# KiCad board XMS0004.kicad_pcb
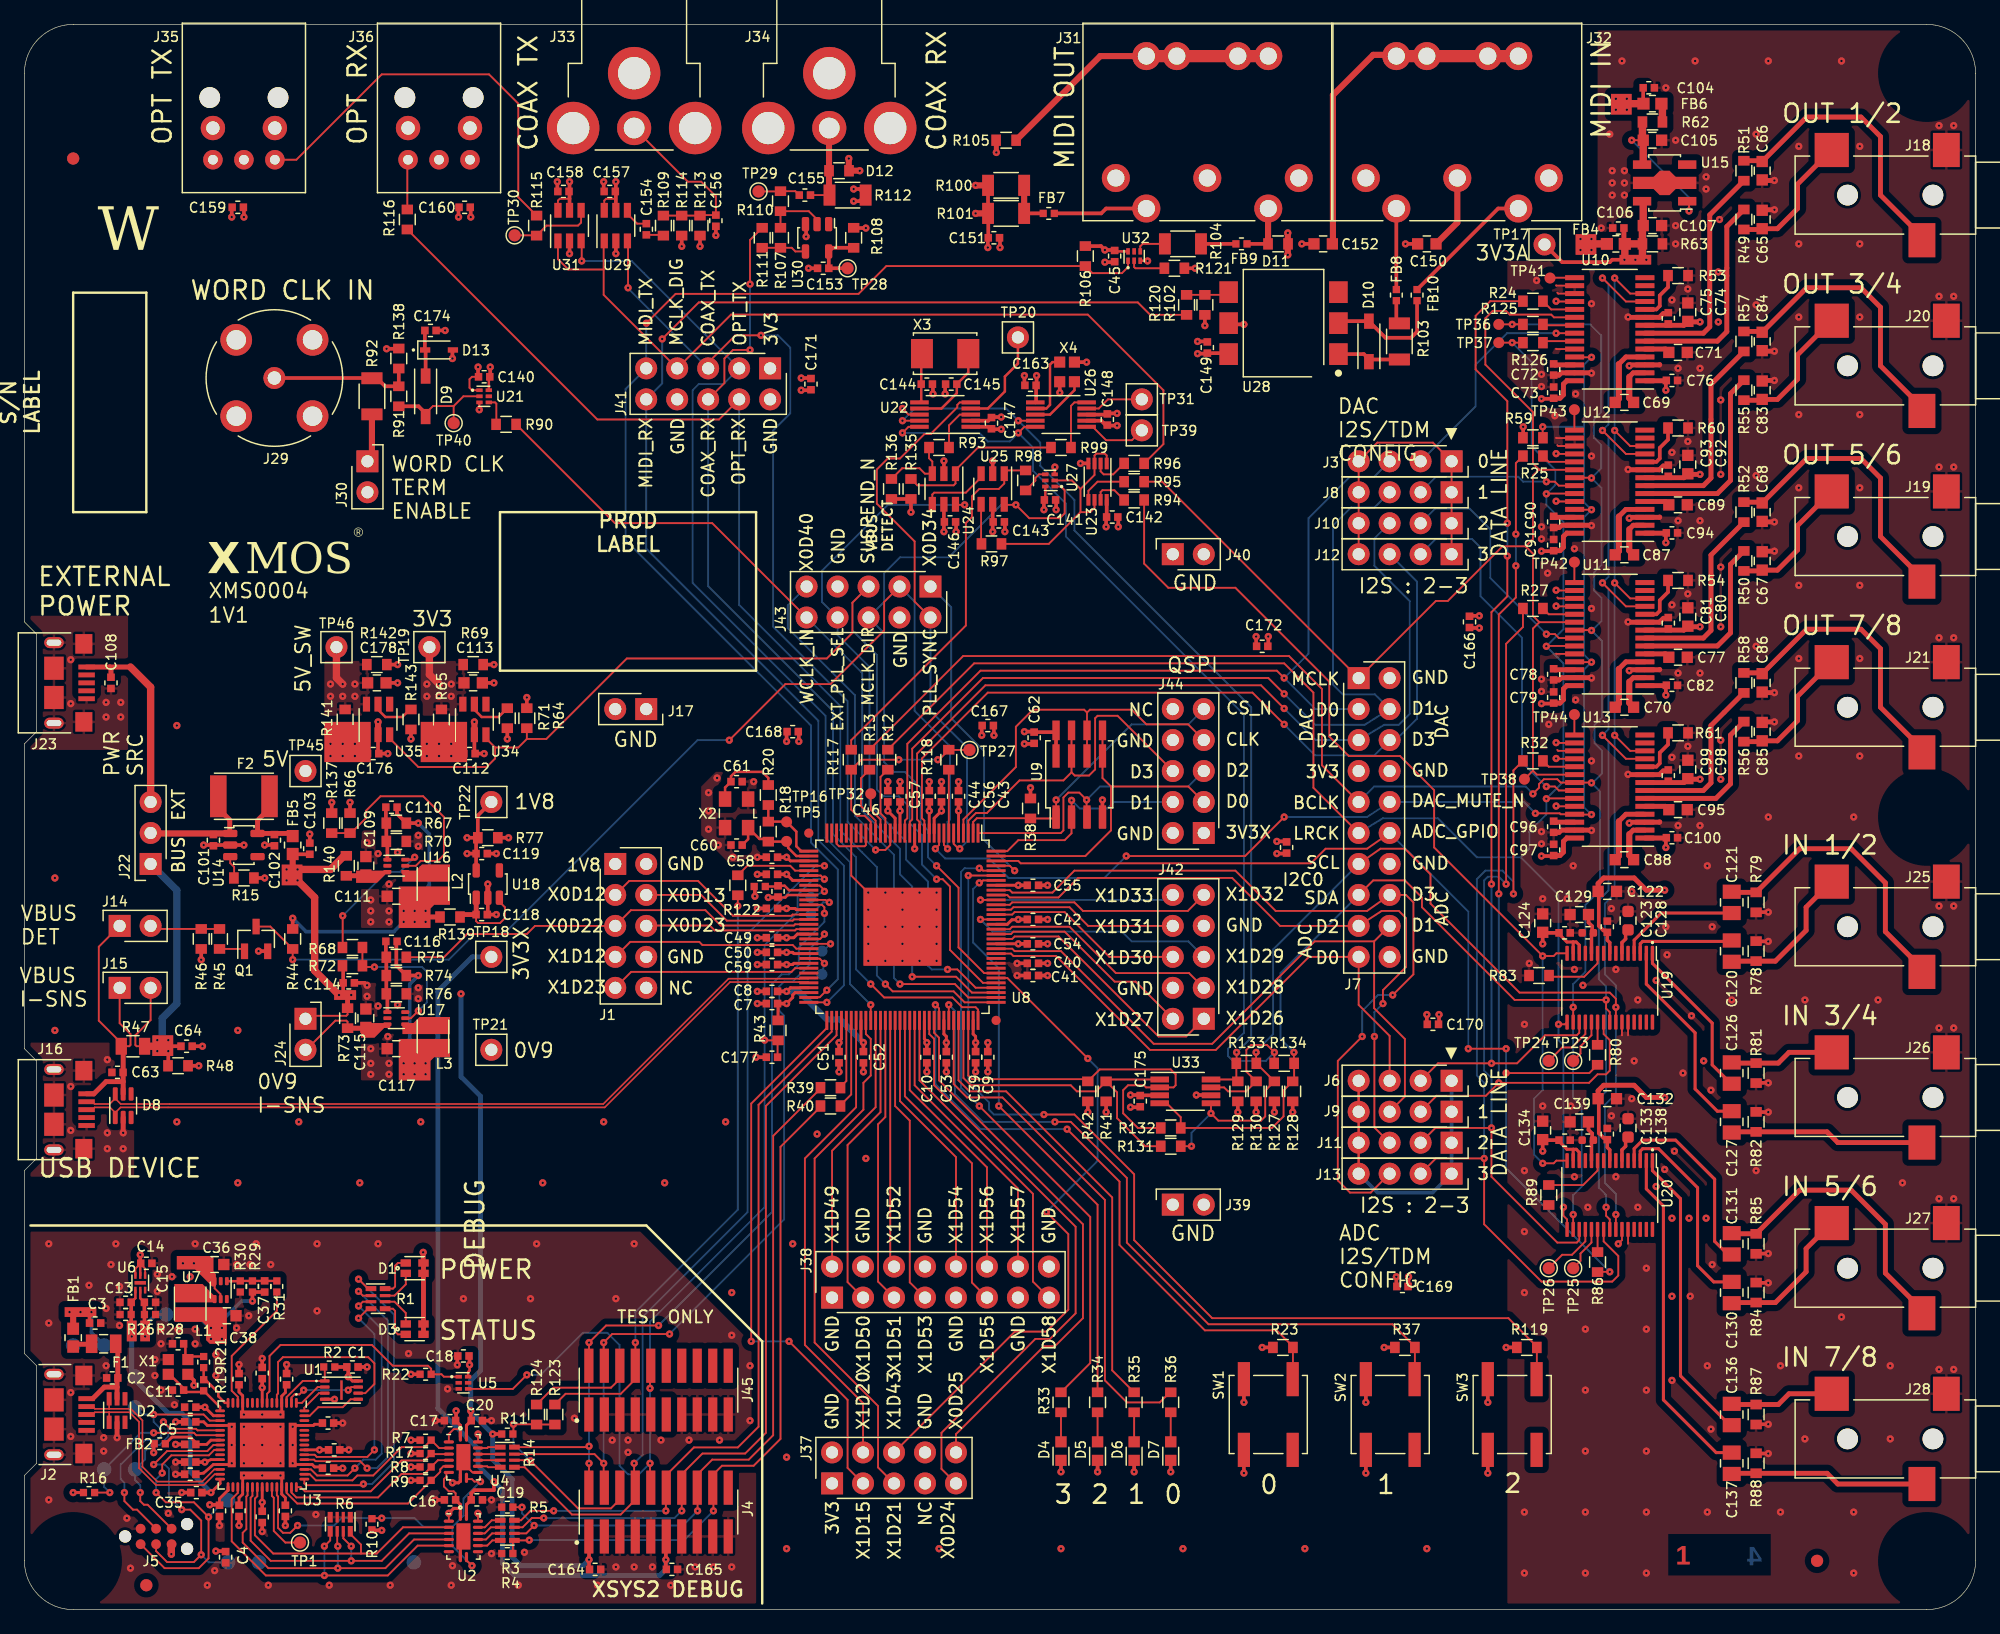
[diagram p0: board, top side]
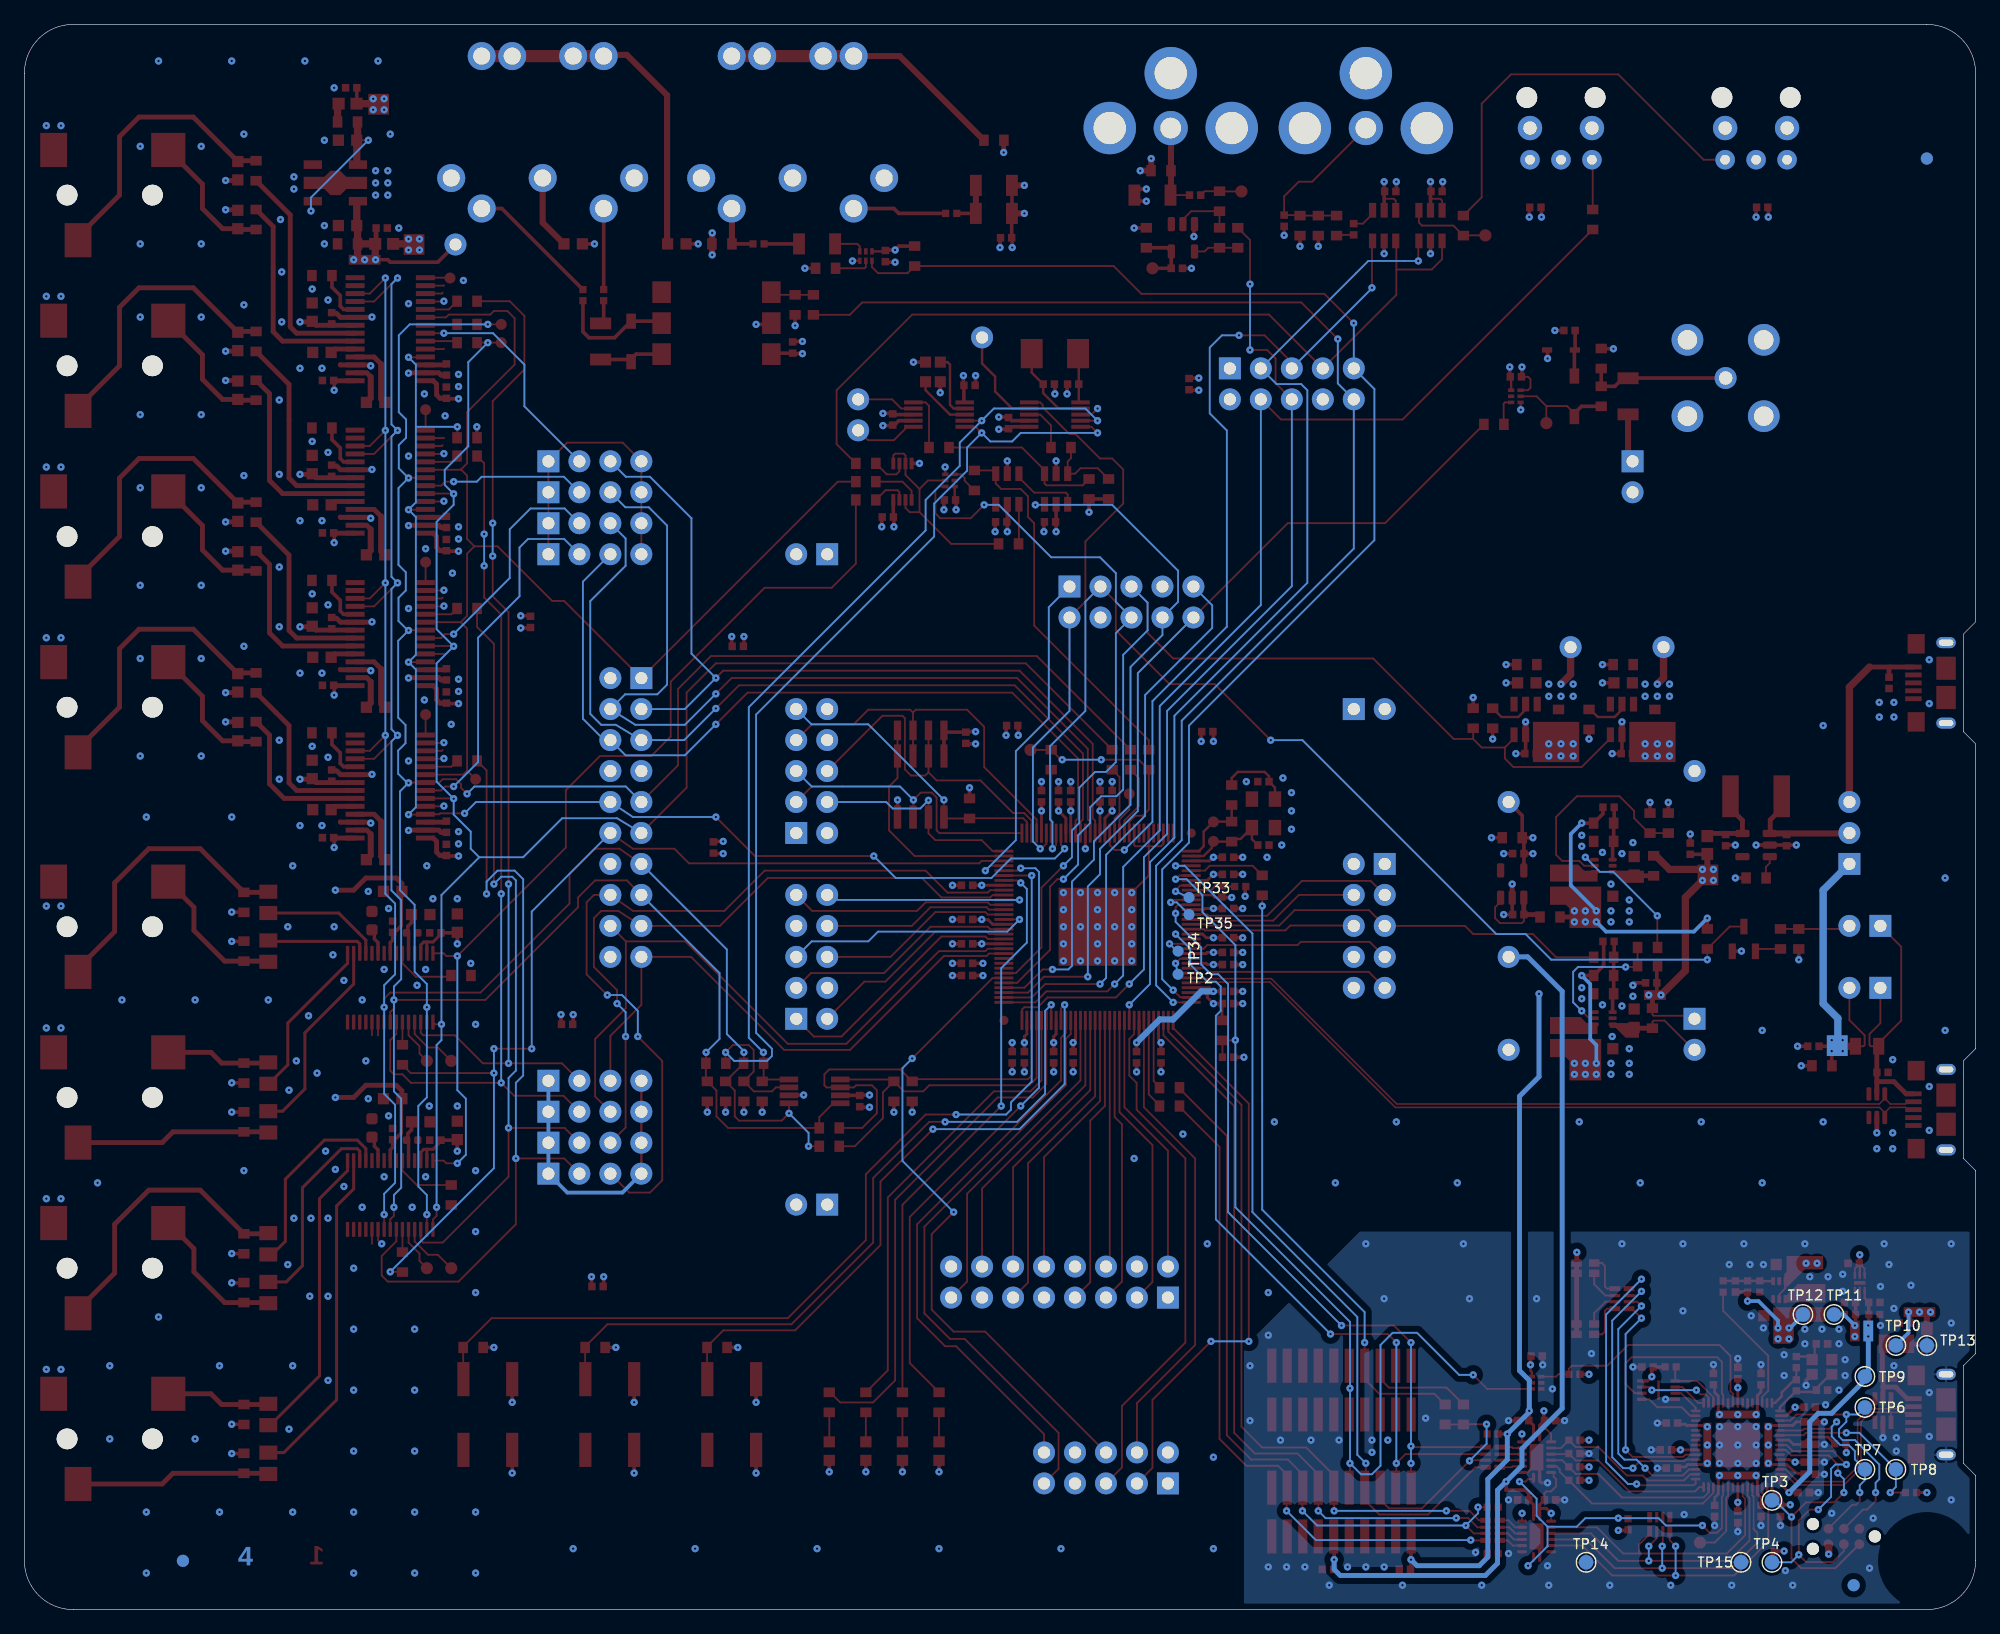
[diagram p1: board, bottom side, seen from below]

Outline 160 x 130 mm; copper layers: Layer 1 (Top), Layer 2 (GND) (plane), Layer 3 (PWR) (plane), Layer 4 (Bottom). Coordinates in mm from the lower left corner of the outline.
Outline path: 0,36 1,37 1,45 0,46 0,71 1,72 1,80 0,81 0,126 arc(1.17,128.83) 4,130 156,130 arc(158.83,128.83) 160,126 160,4 arc(158.83,1.17) 156,0 4,0 arc(1.17,1.17) 0,4 0,11 1,12 1,20 0,21 0,36

## Placement (name value [footprint] x y rotation side)
C1  100N  [CAPC1005X55N]  26.9 19.9 0 top
C2  100N  [CAPC1005X55N]  7.2 19 180 top
C3  100N  [CAPC1005X55N]  5.8 23.5 0 top
C4  100N  [CAPC1005X55N]  16.5 4.3 270 top
C5  1U  [CAPC1005X55N]  13.6 13.55 180 top
C6  1U  [CAPC1005X55N]  61.8 58.9 270 top
C7  100N  [CAPC1005X55N]  61.3 49.7 180 top
C8  100N  [CAPC1005X55N]  61.3 50.7 180 top
C9  2U2  [CAPC1005X55N]  79 45.3 270 top
C10  100N  [CAPC1005X55N]  74 45.3 270 top
C11  18P  [CAPC1005X55N]  12.6 18 180 top
C12  18P  [CAPC1005X55N]  12.6 21.8 180 top
C13  1U  [CAPC1005X55N]  8.3 25.2 180 top
C14  1U  [CAPC1005X55N]  10 28.4 0 top
C15  1U  [CAPC1005X55N]  10.3 25.2 0 top
C16  100N  [CAPC1005X55N]  34.9 9 180 top
C17  100N  [CAPC1005X55N]  34.9 15.5 180 top
C18  100N  [CAPC1005X55N]  36 20.8 180 top
C19  100N  [CAPC1005X55N]  37.1 9 0 top
C20  100N  [CAPC1005X55N]  37.1 15.5 0 top
C21  100N  [CAPC1005X55N]  13.6 11.1 180 top
C22  100N  [CAPC1005X55N]  21.5 18.9 90 top
C23  100N  [CAPC1005X55N]  24.9 11.6 0 top
C24  100N  [CAPC1005X55N]  17.6 18.9 90 top
C25  100N  [CAPC1005X55N]  17.6 8.1 270 top
C26  100N  [CAPC1005X55N]  24.9 15.3 0 top
C27  100N  [CAPC1005X55N]  13.6 15.4 180 top
C28  100N  [CAPC1005X55N]  21.4 8.1 270 top
C29  100N  [CAPC1005X55N]  19.5 19.4 90 top
C30  100N  [CAPC1005X55N]  25.4 13.1 0 top
C31  100N  [CAPC1005X55N]  13.6 16.6 180 top
C32  100N  [CAPC1005X55N]  16 8.1 270 top
C33  100N  [CAPC1005X55N]  19.5 7.6 270 top
C34  100N  [CAPC1005X55N]  13.6 12.1 180 top
C35  100N  [CAPC1005X55N]  14.1 9.6 180 top
C36  10U  [CAPC1608X90N]  15.6 28.3 0 top
C37  470P  [CAPC1005X55N]  19.7 26.5 90 top
C38  10U  [CAPC1608X90N]  16.6 24.1 0 top
C39  100N  [CAPC1005X55N]  78 45.3 270 top
C40  100N  [CAPC1005X55N]  82.7 53 0 top
C41  100N  [CAPC1005X55N]  82.7 52 0 top
C42  100N  [CAPC1005X55N]  82.7 56.6 0 top
C43  100N  [CAPC1005X55N]  76.6 66.7 90 top
C44  100N  [CAPC1005X55N]  74.2 66.7 90 top
C45  100N  [CAPC1005X55N]  89.4 111 270 top
C46  100N  [CAPC1005X55N]  70.8 66.7 90 top
C47  100N  [CAPC1005X55N]  61.3 60.3 180 top
C48  100N  [CAPC1005X55N]  61.3 57.5 180 top
C49  100N  [CAPC1005X55N]  61.3 55.1 180 top
C50  100N  [CAPC1005X55N]  61.3 53.9 180 top
C51  100N  [CAPC1005X55N]  66.8 45.3 270 top
C52  100N  [CAPC1005X55N]  68.8 45.3 270 top
C53  100N  [CAPC1005X55N]  75.6 45.3 270 top
C54  100N  [CAPC1005X55N]  82.7 54.6 0 top
C55  100N  [CAPC1005X55N]  82.7 59.4 0 top
C56  100N  [CAPC1005X55N]  75.2 66.7 90 top
C57  100N  [CAPC1005X55N]  71.8 66.7 90 top
C58  100N  [CAPC1005X55N]  61.3 61.7 180 top
C59  100N  [CAPC1005X55N]  61.3 52.9 180 top
C60  18P  [CAPC1005X55N]  58.4 62.7 180 top
C61  18P  [CAPC1005X55N]  58.4 67.9 0 top
C62  100N  [CAPC1005X55N]  82.8 71.5 270 top
C63  10N  [CAPC1005X55N]  7.64 44.06 180 top
C64  100N  [CAPC1005X55N]  13.3 46.2 0 top
C65  2N2  [CAPC1608X90N]  142.5 114 90 top
C66  2N2  [CAPC1608X90N]  142.5 118 270 top
C67  2N2  [CAPC1608X90N]  142.5 86 90 top
C68  2N2  [CAPC1608X90N]  142.5 90 270 top
C69  2U2  [CAPC1608X90N]  131.2 99 180 top
C70  2U2  [CAPC1608X90N]  131.2 74 180 top
C71  2U2  [CAPC1608X90N]  135.6 103.1 0 top
C72  100N  [CAPC1005X55N]  125.4 101.7 270 top
C73  100N  [CAPC1005X55N]  125.4 99.8 90 top
C74  4U7  [CAPC1608X90N]  136.4 106.4 90 top
C75  100N  [CAPC1005X55N]  134.8 105.9 90 top
C76  100N  [CAPC1005X55N]  135.1 100.8 0 top
C77  2U2  [CAPC1608X90N]  135.6 78.1 0 top
C78  100N  [CAPC1005X55N]  125.4 76.7 270 top
C79  100N  [CAPC1005X55N]  125.4 74.8 90 top
C80  4U7  [CAPC1608X90N]  136.4 81.4 90 top
C81  100N  [CAPC1005X55N]  134.8 80.9 90 top
C82  100N  [CAPC1005X55N]  135.1 75.8 0 top
C83  2N2  [CAPC1608X90N]  142.5 100 90 top
C84  2N2  [CAPC1608X90N]  142.5 104 270 top
C85  2N2  [CAPC1608X90N]  142.5 72 90 top
C86  2N2  [CAPC1608X90N]  142.5 76 270 top
C87  2U2  [CAPC1608X90N]  131.2 86.5 180 top
C88  2U2  [CAPC1608X90N]  131.2 61.5 180 top
C89  2U2  [CAPC1608X90N]  135.6 90.6 0 top
C90  100N  [CAPC1005X55N]  125.4 89.2 270 top
C91  100N  [CAPC1005X55N]  125.4 87.3 90 top
C92  4U7  [CAPC1608X90N]  136.4 93.9 90 top
C93  100N  [CAPC1005X55N]  134.8 93.4 90 top
C94  100N  [CAPC1005X55N]  135.1 88.3 0 top
C95  2U2  [CAPC1608X90N]  135.6 65.6 0 top
C96  100N  [CAPC1005X55N]  125.4 64.2 270 top
C97  100N  [CAPC1005X55N]  125.4 62.3 90 top
C98  4U7  [CAPC1608X90N]  136.4 68.9 90 top
C99  100N  [CAPC1005X55N]  134.8 68.4 90 top
C100  100N  [CAPC1005X55N]  135.1 63.3 0 top
C101  1U  [CAPC1005X55N]  15.5 63.1 270 top
C102  1U  [CAPC1005X55N]  20.5 63.1 270 top
C103  100N  [CAPC1005X55N]  23.4 62.4 90 top
C104  100N  [CAPC1005X55N]  133.2 124.8 0 top
C105  4U7  [CAPC1608X90N]  133.5 120.5 0 top
C106  100N  [CAPC1005X55N]  130.7 113.3 180 top
C107  10U  [CAPC1608X90N]  133.5 113.5 0 top
C108  10N  [CAPC1005X55N]  7.1 76 270 top
C109  4U7  [CAPC1608X90N]  28 61 90 top
C110  100P  [CAPC1005X55N]  30.1 65.8 180 top
C111  10U  [CAPC1608X90N]  30.5 58.5 180 top
C112  1U  [CAPC1005X55N]  36.5 70.2 0 top
C113  4U7  [CAPC1608X90N]  36.8 76 0 top
C114  100N  [CAPC1005X55N]  26.6 51.4 0 top
C115  4U7  [CAPC1608X90N]  28 48.5 90 top
C116  560P  [CAPC1005X55N]  30.1 54.8 180 top
C117  22U  [CAPC1608X90N]  30.5 46 180 top
C118  1U  [CAPC1005X55N]  37.5 57 0 top
C119  1U  [CAPC1005X55N]  37.5 62 0 top
C120  10U  [CAPC2012X145N]  140 54 90 top
C121  10U  [CAPC2012X145N]  140 58 270 top
C122  4U7  [CAPC1608X90N]  129.8 58.9 0 top
C123  100N  [CAPC1005X55N]  129.8 56 90 top
C124  4U7  [CAPC1608X90N]  124.5 56.3 90 top
C125  100N  [CAPC1005X55N]  126.3 55.5 0 top
C126  10U  [CAPC2012X145N]  140 44 270 top
C127  10U  [CAPC2012X145N]  140 40 90 top
C128  2U2  [CAPC1608X90N#2]  131.5 56.5 90 top
C129  2U2  [CAPC1608X90N]  127.5 57 180 top
C130  10U  [CAPC2012X145N]  140 26 90 top
C131  10U  [CAPC2012X145N]  140 30 270 top
C132  4U7  [CAPC1608X90N]  129.8 41.9 0 top
C133  100N  [CAPC1005X55N]  129.8 39 90 top
C134  4U7  [CAPC1608X90N]  124.5 39.3 90 top
C135  100N  [CAPC1005X55N]  126.3 38.5 0 top
C136  10U  [CAPC2012X145N]  140 16 270 top
C137  10U  [CAPC2012X145N]  140 12 90 top
C138  2U2  [CAPC1608X90N#2]  131.5 39.5 90 top
C139  2U2  [CAPC1608X90N]  127.5 40 180 top
C140  100N  [CAPC1005X55N]  37.7 101.1 180 top
C141  100N  [CAPC1005X55N]  84.1 91 0 top
C142  100N  [CAPC1005X55N]  89.2 89.6 0 top
C143  100N  [CAPC1005X55N]  79.9 89.2 0 top
C144  27P  [CAPC1005X55N]  74 100.5 0 top
C145  27P  [CAPC1005X55N]  76 100.5 180 top
C146  100N  [CAPC1005X55N]  75.9 89.2 0 top
C147  100N  [CAPC1005X55N]  79.3 97.3 90 top
C148  100N  [CAPC1005X55N]  88.8 97.6 90 top
C149  100N  [CAPC1005X55N]  97 103.5 90 top
C150  100N  [CAPC1608X90N]  115 112 180 top
C151  100N  [CAPC1005X55N]  79.5 112.5 0 top
C152  100N  [CAPC1608X90N]  106.5 112 180 top
C153  100N  [CAPC1005X55N]  65.5 110 180 top
C154  100N  [CAPC1005X55N]  51 113.2 270 top
C155  10N  [CAPC1005X55N]  64 116 180 top
C156  33P  [CAPC1005X55N]  56.7 113.9 270 top
C157  100N  [CAPC1005X55N]  48 116.3 180 top
C158  100N  [CAPC1005X55N]  44.2 116.3 180 top
C159  100N  [CAPC1005X55N]  17.5 115 180 top
C160  100N  [CAPC1005X55N]  36.1 115 180 top
C161  100N  [CAPC1005X55N#2]  128.2 55.5 180 top
C162  100N  [CAPC1005X55N#2]  128.2 38.5 180 top
C163  100N  [CAPC1005X55N]  82.5 100.4 180 top
C164  100N  [CAPC1005X55N]  46.8 3.3 0 top
C165  100N  [CAPC1005X55N]  53.1 3.3 0 top
C166  100N  [CAPC1005X55N]  118.5 81 90 top
C167  100N  [CAPC1005X55N]  79 72.5 0 top
C168  100N  [CAPC1005X55N]  63 72 180 top
C169  100N  [CAPC1005X55N]  113 26.5 180 top
C170  100N  [CAPC1005X55N]  115.5 48 180 top
C171  100N  [CAPC1005X55N]  64.5 100.5 90 top
C172  100N  [CAPC1005X55N]  101.5 79 180 top
C173  100N  [CAPC1005X55N]  103.5 62.5 270 top
C174  10N  [CAPC1005X55N]  33.3 104.9 0 top
C175  100N  [CAPC1005X55N]  91.5 41.7 270 top
C176  1U  [CAPC1005X55N]  28.6 70.2 0 top
C177  10N  [CAPC1005X55N]  61.3 45.3 180 top
C178  4U7  [CAPC1608X90N]  28.9 76 0 top
D1  LTST-C195KGJRKT  [LED_LITEON_LTST_C195KGJRKT]  32 28 270 top
D2  NUP4114  [SOT65P210X110-6N]  7.6 16.33 0 top
D3  LTST-C195KGJRKT  [LED_LITEON_LTST_C195KGJRKT]  32 23 270 top
D4  APT1608  [LEDC1608X85N]  85 13 90 top
D5  APT1608  [LEDC1608X85N]  88 13 90 top
D6  APT1608  [LEDC1608X85N]  91 13 90 top
D7  APT1608  [LEDC1608X85N]  94 13 90 top
D8  NUP4114  [SOT65P210X110-6N#2]  8.1 41.33 0 top
D9  MMSD914T1G  [SOD3716X135N]  32.9 99.5 270 top
D10  MMSD914T1G  [SOD3716X135N]  110.25 104 90 top
D11  PESD0603-240  [RESC1608X55N]  102.8 112 180 top
D12  PESD0603-240  [RESC1608X55N]  66.8 118 180 top
D13  MM3Z3V9B  [SODFL2513X100N]  34 103.3 0 top
F1  0.35A  [FUSC215X135X75L40N]  6.5 21.8 180 top
F2  1.1A  [FUSC4632X150N]  18 66.7 0 top
FB1  220R  [INDC1608X95N]  4 22.3 90 top
FB2  1000R  [INDC1005X55N]  11.1 13.6 180 top
FB3  1000R  [INDC1005X55N]  60.3 59.3 180 top
FB4  220R  [INDC1608X95N]  130.5 112 180 top
FB5  220R  [INDC1608X95N]  22 62.7 270 top
FB6  220R  [INDC1608X95N]  133.5 123.5 0 top
FB7  1000R  [INDC1005X55N]  84 114.5 180 top
FB8  1000R  [INDC1005X55N]  112.5 107.8 270 top
FB9  1000R  [INDC1005X55N]  99.8 112 180 top
FB10  1000R  [INDC1005X55N]  114.2 107.8 270 top
FM5  FIDUCIAL  [FIDUCIAL_10_20]  10 2 180 bottom
FM6  FIDUCIAL  [FIDUCIAL_10_20]  147 4 180 bottom
FM7  FIDUCIAL  [FIDUCIAL_10_20]  4 119 0 top
FM8  FIDUCIAL  [FIDUCIAL_10_20]  4 119 180 bottom
FM9  FIDUCIAL  [FIDUCIAL_10_20]  147 4 0 top
FM10  FIDUCIAL  [FIDUCIAL_10_20]  10 2 0 top
J1  67997-210HLF  [HDR_FCI_67997_X10]  48.45 61.15 270 top
J2  10118193  [CON_FCI_10118193]  5.1 17.3 270 top
J3  68001-204HLF  [HDR_FCI_68001_204]  117.03 94.17 180 top
J4  FTSH-110-01-F-DV-K  [CON_SAMTEC_FTSH_110_01_X_DV_K]  52 8 0 top
J5  TAG_CONNECT_6_NL  [CON_TAG_CONNECT_6_NOLEG]  10.8 6 0 top
J6  68001-204HLF  [HDR_FCI_68001_204]  117.03 43.37 180 top
J7  67997-220HLF  [HDR_FCI_67997_220]  109.41 76.39 270 top
J8  68001-204HLF  [HDR_FCI_68001_204]  117.03 91.63 180 top
J9  68001-204HLF  [HDR_FCI_68001_204]  117.03 40.83 180 top
J10  68001-204HLF  [HDR_FCI_68001_204]  117.03 89.09 180 top
J11  68001-204HLF  [HDR_FCI_68001_204]  117.03 38.29 180 top
J12  68001-204HLF  [HDR_FCI_68001_204]  117.03 86.55 180 top
J13  68001-204HLF  [HDR_FCI_68001_204]  117.03 35.75 180 top
J14  68001-202HLF  [HDR_FCI_68001_202]  7.81 56.07 0 top
J15  68001-202HLF  [HDR_FCI_68001_202]  7.81 50.99 0 top
J16  10118193  [CON_FCI_10118193]  5.1 42.3 270 top
J17  68001-202HLF  [HDR_FCI_68001_202]  50.99 73.85 180 top
J18  SJ-3523-SMT  [CON_CUI_SJ3523]  156.5 116 90 top
J19  SJ-3523-SMT  [CON_CUI_SJ3523]  156.5 88 90 top
J20  SJ-3523-SMT  [CON_CUI_SJ3523]  156.5 102 90 top
J21  SJ-3523-SMT  [CON_CUI_SJ3523]  156.5 74 90 top
J22  68001-203HLF  [HDR_FCI_68001_203]  10.35 61.15 90 top
J23  10118193  [CON_FCI_10118193]  5.1 77.3 270 top
J24  68001-202HLF  [HDR_FCI_68001_202]  23.05 48.45 270 top
J25  SJ-3523-SMT  [CON_CUI_SJ3523]  156.5 56 90 top
J26  SJ-3523-SMT  [CON_CUI_SJ3523]  156.5 42 90 top
J27  SJ-3523-SMT  [CON_CUI_SJ3523]  156.5 28 90 top
J28  SJ-3523-SMT  [CON_CUI_SJ3523]  156.5 14 90 top
J29  5-1634503-3  [CON_TE_5_1634503]  20.5 101 90 top
J30  68001-202HLF  [HDR_FCI_68001_202]  28.13 94.17 270 top
J31  SDS-50J  [DIN_5PIN_180_RA]  97 117.4 180 top
J32  SDS-50J  [DIN_5PIN_180_RA]  117.5 117.4 180 top
J33  RCJ-017  [CON_CUI_RCJ_017]  50 121.5 180 top
J34  RCJ-017  [CON_CUI_RCJ_017]  66 121.5 180 top
J35  DLT1160A-B  [CON_OPT_AIXIN_DLX1160]  18 118.9 0 top
J36  DLR1160-B  [CON_OPT_AIXIN_DLX1160]  34 118.9 0 top
J37  67997-210HLF  [HDR_FCI_67997_X10]  66.23 10.35 0 top
J38  67997-116HLF  [HDR_FCI_67997_116]  66.23 25.59 0 top
J39  68001-202HLF  [HDR_FCI_68001_202]  94.17 33.21 0 top
J40  68001-202HLF  [HDR_FCI_68001_202]  94.17 86.55 0 top
J41  67997-210HLF  [HDR_FCI_67997_X10]  61.15 101.79 180 top
J42  67997-210HLF  [HDR_FCI_67997_X10]  96.71 48.45 90 top
J43  67997-210HLF  [HDR_FCI_67997_X10]  74.3 83.9 180 top
J44  67997-210HLF  [HDR_FCI_67997_X10]  96.71 63.69 90 top
J45  FTSH-110-01-F-DV-K  [CON_SAMTEC_FTSH_110_01_X_DV_K]  52 18 0 top
L1  1U5  [INDC2520X120N]  13.6 25.1 270 top
L2  1U5  [INDC2520X120N]  33.5 59.5 270 top
L3  1U5  [INDC2520X120N]  33.5 47 270 top
NOREF  -  [unnamed]  80 4 0 top
NOREF#2  -  [unnamed]  156 4 0 top
NOREF#3  -  [unnamed]  80 126 0 top
NOREF#4  -  [unnamed]  4 65 0 top
NOREF#5  -  [unnamed]  4 126 0 top
NOREF#6  -  [unnamed]  156 65 0 top
NOREF#7  -  [unnamed]  4 4 0 top
NOREF#8  -  [unnamed]  156 126 0 top
Q1  MMBT3904  [SOT95P235X115-3N]  19 55 0 top
R1  470R  [RESCAXS50P200X100X55-8N]  29 25.5 270 top
R2  4K7  [RESC1005X40N]  25 19.9 0 top
R3  36R  [RESCAXS50P200X100X55-8N]  39.6 6.5 270 top
R4  10K  [RESC1005X40N]  39.6 4.6 0 top
R5  10K  [RESC1005X40N]  39.6 8.4 0 top
R6  47K  [RESCAXS50P200X100X55-8N]  25.9 7 180 top
R7  4K7  [RESC1005X40N]  32.9 13.9 180 top
R8  4K7  [RESC1005X40N]  32.9 11.7 180 top
R9  4K7  [RESC1005X40N]  32.9 10.6 180 top
R10  4K7  [RESC1005X40N]  28.5 7 270 top
R11  10K  [RESC1005X40N]  39.6 14.4 180 top
R12  33R  [RESC1608X55N]  70.8 69.7 90 top
R13  33R  [RESC1608X55N]  69.3 69.7 90 top
R14  36R  [RESCAXS50P200X100X55-8N]  39.6 12.5 270 top
R15  10K  [RESC1608X55N]  18 60 180 top
R16  10K  [RESC1005X40N]  5.3 9.6 180 top
R17  10K  [RESC1005X40N]  32.9 12.8 0 top
R18  1M  [RESC1608X55N]  61 63.8 90 top
R19  1M  [RESC1005X40N]  14.7 18.4 90 top
R20  680R  [RESC1608X55N]  61 66.8 270 top
R21  680R  [RESC1005X40N]  14.7 20.3 270 top
R22  4K7  [RESC1005X40N]  32.9 19.3 180 top
R23  10K  [RESC1608X55N]  103.2 21.5 180 top
R24  33R  [RESC1608X55N]  123.7 107.3 180 top
R25  33R  [RESC1608X55N]  123.7 94.6 180 top
R26  47K  [RESC1005X40N]  8.3 24.2 0 top
R27  33R  [RESC1608X55N]  123.7 82.1 180 top
R28  47K  [RESC1005X40N]  10.3 24.2 180 top
R29  10K  [RESC1005X40N]  18.7 26.5 270 top
R30  20K  [RESC1005X40N]  17.7 26.5 90 top
R31  150K  [RESC1005X40N]  20.7 26.5 90 top
R32  33R  [RESC1608X55N]  123.7 69.6 180 top
R33  470R  [RESC1608X55N]  85 17 90 top
R34  470R  [RESC1608X55N]  88 17 90 top
R35  470R  [RESC1608X55N]  91 17 90 top
R36  470R  [RESC1608X55N]  94 17 90 top
R37  10K  [RESC1608X55N]  113.2 21.5 180 top
R38  10K  [RESC1608X55N]  82.5 65.7 90 top
R39  33R  [RESC1608X55N]  66.1 42.8 180 top
R40  33R  [RESC1608X55N]  66.1 41.3 180 top
R41  4K7  [RESC1608X55N]  88.7 42.5 270 top
R42  4K7  [RESC1608X55N]  87.2 42.5 270 top
R43  10K  [RESC1608X55N]  61.8 47.5 90 top
R44  47K  [RESC1608X55N]  22 55 90 top
R45  100K  [RESC1608X55N]  16 55 270 top
R46  100K  [RESC1608X55N]  14.5 55 90 top
R47  0R1  [RESC2012X60N]  8.9 46.2 0 top
R48  470K  [RESC1608X55N]  12.6 44.6 180 top
R49  470R  [RESC1608X55N]  141 114 270 top
R50  470R  [RESC1608X55N]  141 86 270 top
R51  470R  [RESC1608X55N]  141 118 90 top
R52  470R  [RESC1608X55N]  141 90 90 top
R53  0R  [RESC1608X55N]  135.6 109.4 180 top
R54  0R  [RESC1608X55N]  135.6 84.4 180 top
R55  470R  [RESC1608X55N]  141 100 270 top
R56  470R  [RESC1608X55N]  141 72 270 top
R57  470R  [RESC1608X55N]  141 104 90 top
R58  470R  [RESC1608X55N]  141 76 90 top
R59  10K  [RESC1608X55N]  123.7 96.1 180 top
R60  0R  [RESC1608X55N]  135.6 96.9 180 top
R61  0R  [RESC1608X55N]  135.6 71.9 180 top
R62  0R5  [RESC1608X55N]  133.5 122 180 top
R63  4K7  [RESC1608X55N]  133.5 112 180 top
R64  100K  [RESC1608X55N]  41.2 73.1 270 top
R65  0R  [RESC1608X55N]  34.2 73 90 top
R66  20K  [RESC1608X55N]  26.7 64.5 90 top
R67  68K  [RESC1608X55N]  30.5 64.5 0 top
R68  0R  [RESC1608X55N]  26.9 54.3 180 top
R69  10K  [RESC1608X55N]  36.8 77.5 180 top
R70  15K  [RESC1608X55N]  30.5 63 180 top
R71  68K  [RESC1608X55N]  39.6 73.1 90 top
R72  10K  [RESC1608X55N]  26.9 52.8 180 top
R73  0R1  [RESC1608X55N]  26.5 48.5 270 top
R74  10K  [RESC1608X55N]  30.5 52 0 top
R75  240K  [RESC1608X55N]  30.5 53.5 180 top
R76  20K  [RESC1608X55N]  30.5 50.5 180 top
R77  220K  [RESC1608X55N]  38 63.3 180 top
R78  47K  [RESC1608X55N]  142 54 270 top
R79  47K  [RESC1608X55N]  142 58 90 top
R80  33R  [RESC1608X55N]  129 45.5 90 top
R81  47K  [RESC1608X55N]  142 44 90 top
R82  47K  [RESC1608X55N]  142 40 270 top
R83  0R  [RESC1608X55N]  124.2 52 180 top
R84  47K  [RESC1608X55N]  142 26 270 top
R85  47K  [RESC1608X55N]  142 30 90 top
R86  33R  [RESC1608X55N]  129 28.5 90 top
R87  47K  [RESC1608X55N]  142 16 90 top
R88  47K  [RESC1608X55N]  142 12 270 top
R89  0R  [RESC1608X55N]  125 34 270 top
R90  33R  [RESC1608X55N]  39.5 97.2 0 top
R91  1K  [RESC1608X55N]  30.7 99.5 270 top
R92  75R  [RESC3116X65N]  28.5 99.5 90 top
R93  33R  [RESC1608X55N]  75 95.3 180 top
R94  33R  [RESC1608X55N]  91 91 0 top
R95  33R  [RESC1608X55N]  91 92.5 0 top
R96  33R  [RESC1608X55N]  91 94 0 top
R97  33R  [RESC1608X55N]  79.3 87.4 0 top
R98  33R  [RESC1608X55N]  82.1 92.6 90 top
R99  33R  [RESC1608X55N]  85 95.3 180 top
R100  68R  [RESC3116X65N]  80.5 116.8 180 top
R101  68R  [RESC3116X65N]  80.5 114.5 180 top
R102  470R  [RESC1608X55N]  96.8 107 270 top
R103  220R  [RESC3116X65N]  112.75 104 270 top
R104  10R  [RESC3116X65N]  95 112 0 top
R105  0R  [RESC1608X55N]  80.5 120.5 0 top
R106  10K  [RESC1608X55N]  87 111 90 top
R107  100K  [RESC1608X55N]  62 112.5 270 top
R108  68R  [RESC1608X55N]  68 112.5 270 top
R109  220R  [RESC1608X55N]  52.4 113.5 90 top
R110  220R  [RESC1608X55N]  62 115.5 270 top
R111  100R  [RESC1608X55N]  60.5 112.5 90 top
R112  75R  [RESC3116X65N]  67.5 116 180 top
R113  220R  [RESC1608X55N]  55.4 113.5 90 top
R114  220R  [RESC1608X55N]  53.9 113.5 90 top
R115  33R  [RESC1608X55N]  42 113.5 90 top
R116  0R  [RESC1608X55N]  31.4 114 270 top
R117  33R  [RESC1608X55N]  67.8 69.7 90 top
R118  0R  [RESC1608X55N]  75.8 69.7 270 top
R119  10K  [RESC1608X55N]  123.2 21.5 180 top
R120  0R  [RESC1608X55N]  95.3 107 270 top
R121  10K  [RESC1608X55N]  94.3 110 180 top
R122  33R  [RESC1608X55N]  58.5 59.4 90 top
R123  0R  [RESC1608X55N]  43.5 16 270 top
R124  0R  [RESC1608X55N]  42 16 90 top
R125  33R  [RESC1608X55N]  123.7 105.4 0 top
R126  33R  [RESC1608X55N]  123.7 103.9 0 top
R127  4K7  [RESC1608X55N]  102.5 42.5 270 top
R128  4K7  [RESC1608X55N]  104 42.5 270 top
R129  4K7  [RESC1608X55N]  99.5 42.5 270 top
R130  4K7  [RESC1608X55N]  101 42.5 270 top
R131  0R  [RESC1608X55N]  94 38 180 top
R132  0R  [RESC1608X55N]  94 39.5 180 top
R133  0R  [RESC1608X55N]  100.2 44.8 0 top
R134  0R  [RESC1608X55N]  103.3 44.8 0 top
R135  10K  [RESC1608X55N]  72.7 91.9 90 top
R136  10K  [RESC1608X55N]  71.1 91.9 90 top
R137  220K  [RESC1608X55N]  25.2 64.5 270 top
R138  10K  [RESC1608X55N]  30.7 102.6 270 top
R139  0R  [RESC1608X55N]  34.9 56.8 0 top
R140  0R  [RESC1608X55N]  26.4 61 90 top
R141  0R  [RESC1608X55N]  26.3 73 90 top
R142  10K  [RESC1608X55N]  28.9 77.5 180 top
R143  68K  [RESC1608X55N]  31.7 73 90 top
SW1  KSC421J  [SW_CK_KSC4_JBEND]  102 16 270 top
SW2  KSC421J  [SW_CK_KSC4_JBEND]  112 16 270 top
SW3  KSC421J  [SW_CK_KSC4_JBEND]  122 16 270 top
TP1  TESTPOINT  [TESTPOINT_SMD_1MM]  22.6 5.5 90 top
TP2  TESTPOINT  [TESTPOINT_SMD_0.9MM_L]  65.4 52.1 180 bottom